# KiCad board poly_kb_molecule_5x4_wave.kicad_pcb
title: PolyKB Atom; date: 2022-02-01; rev: 2.1; company: thpoll
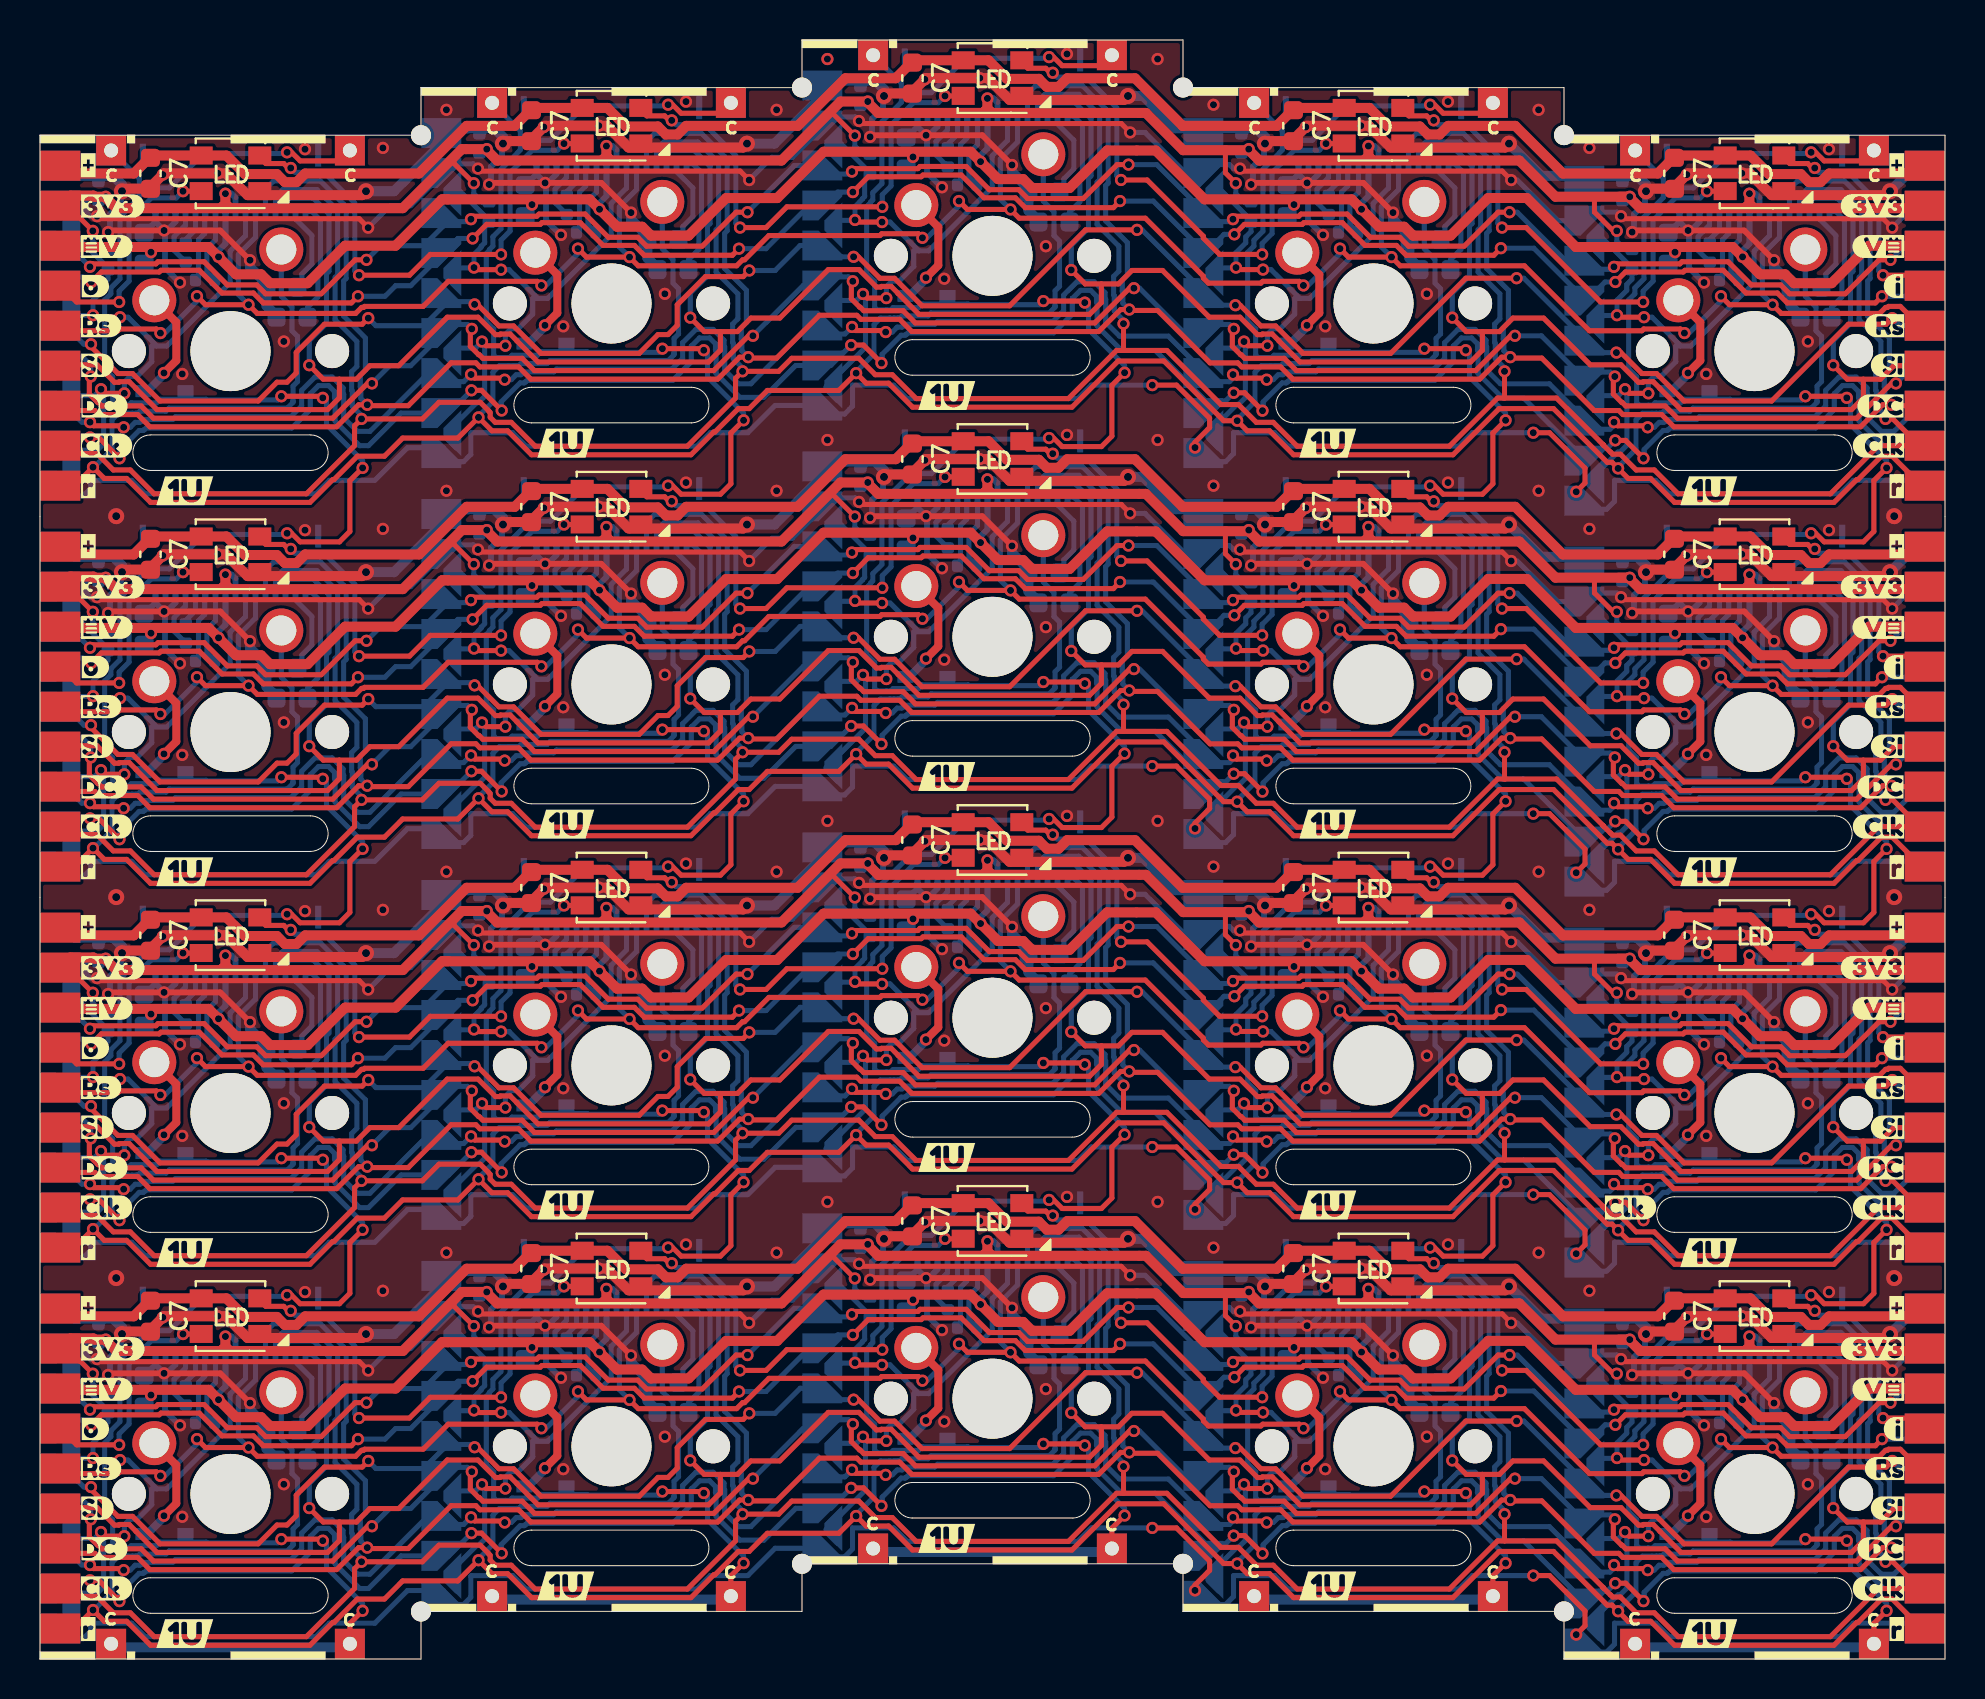
[diagram p0: board, top side]
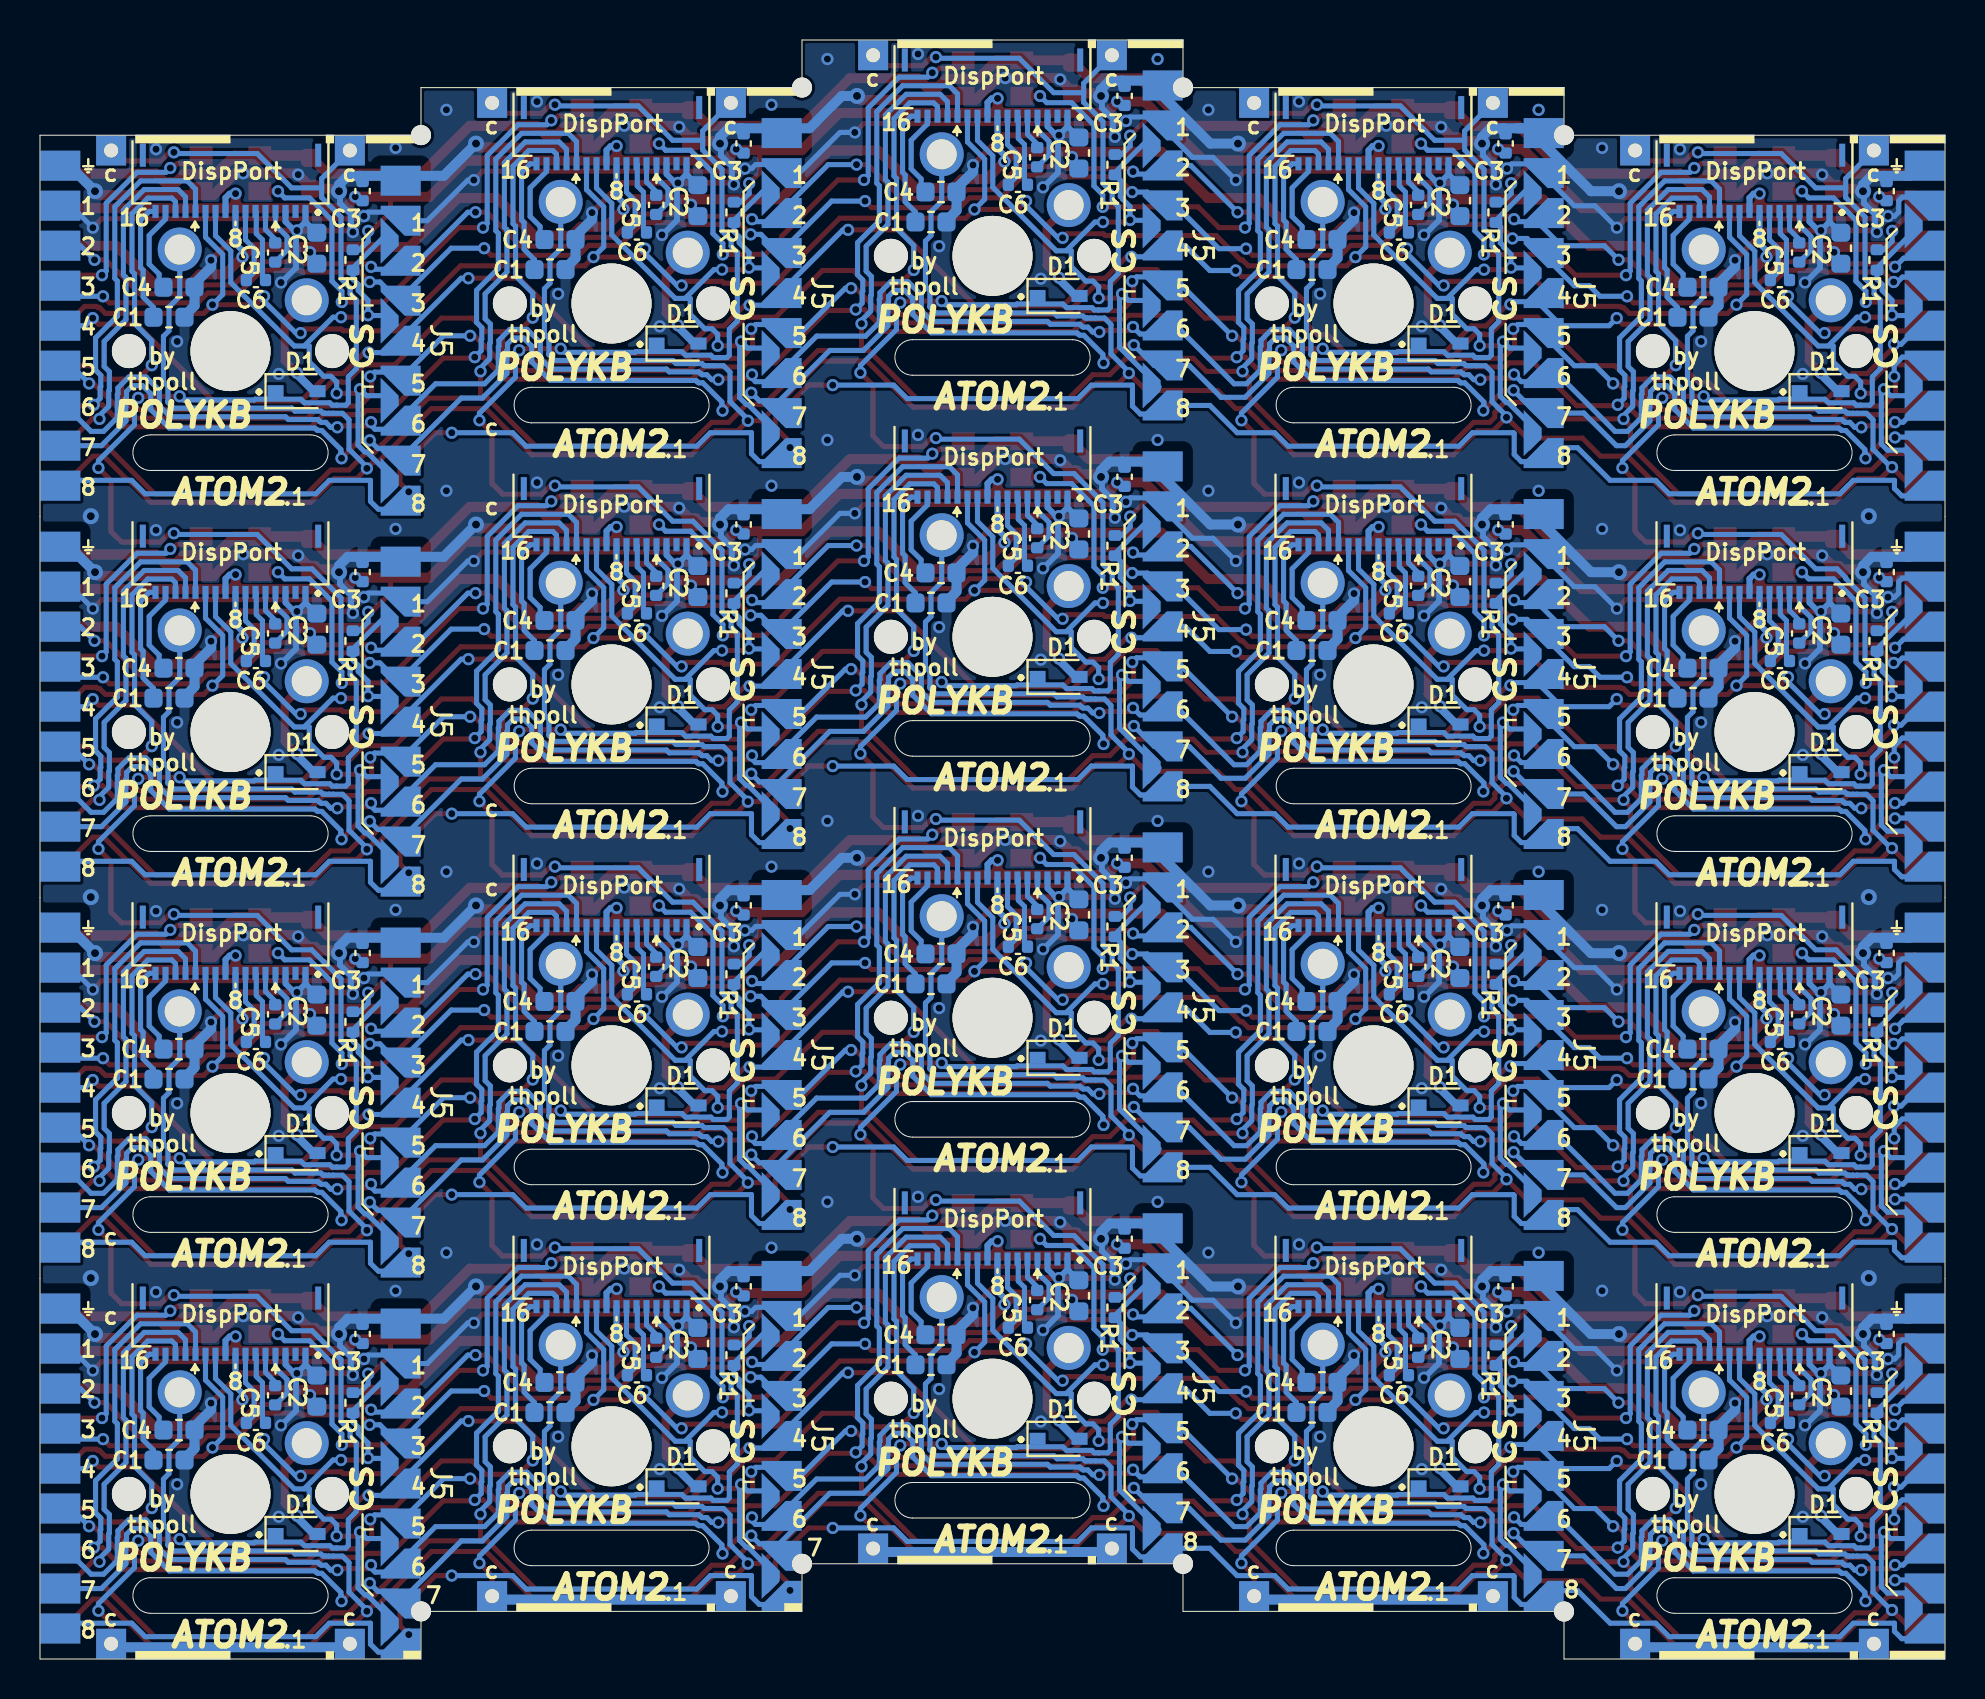
[diagram p1: board, bottom side, seen from below]

Outline 95.25 x 80.96 mm; copper layers: Top, Bottom. Coordinates in mm from the lower left corner of the outline.
Outline path: 0,76.2 0,0 19.05,0 19.05,2.38 38.1,2.38 38.1,4.76 57.15,4.76 57.15,2.38 76.2,2.38 76.2,0 95.25,0 95.25,76.2 76.2,76.2 76.2,78.58 57.15,78.58 57.15,80.96 38.1,80.96 38.1,78.58 19.05,78.58 19.05,76.2 0,76.2 ; 5.53,59.44 arc(4.65,60.32) 5.53,61.21 13.52,61.21 arc(14.41,60.32) 13.52,59.44 5.53,59.44 ; 5.53,40.39 arc(4.65,41.27) 5.53,42.16 13.52,42.16 arc(14.41,41.27) 13.52,40.39 5.53,40.39 ; 5.53,21.34 arc(4.65,22.22) 5.53,23.11 13.52,23.11 arc(14.41,22.22) 13.52,21.34 5.53,21.34 ; 5.53,2.29 arc(4.65,3.17) 5.53,4.06 13.52,4.06 arc(14.41,3.17) 13.52,2.29 5.53,2.29 ; 24.58,61.82 arc(23.7,62.71) 24.58,63.6 32.57,63.6 arc(33.46,62.71) 32.57,61.82 24.58,61.82 ; 24.58,42.77 arc(23.7,43.66) 24.58,44.55 32.57,44.55 arc(33.46,43.66) 32.57,42.77 24.58,42.77 ; 24.58,23.72 arc(23.7,24.61) 24.58,25.5 32.57,25.5 arc(33.46,24.61) 32.57,23.72 24.58,23.72 ; 24.58,4.67 arc(23.7,5.56) 24.58,6.45 32.57,6.45 arc(33.46,5.56) 32.57,4.67 24.58,4.67 ; 43.63,64.2 arc(42.74,65.09) 43.63,65.98 51.62,65.98 arc(52.51,65.09) 51.62,64.2 43.63,64.2 ; 43.63,45.15 arc(42.74,46.04) 43.63,46.93 51.62,46.93 arc(52.51,46.04) 51.62,45.15 43.63,45.15 ; 43.63,26.1 arc(42.74,26.99) 43.63,27.88 51.62,27.88 arc(52.51,26.99) 51.62,26.1 43.63,26.1 ; 43.63,7.05 arc(42.74,7.94) 43.63,8.83 51.62,8.83 arc(52.51,7.94) 51.62,7.05 43.63,7.05 ; 62.68,61.82 arc(61.8,62.71) 62.68,63.6 70.67,63.6 arc(71.56,62.71) 70.67,61.82 62.68,61.82 ; 62.68,42.77 arc(61.8,43.66) 62.68,44.55 70.67,44.55 arc(71.56,43.66) 70.67,42.77 62.68,42.77 ; 62.68,23.72 arc(61.8,24.61) 62.68,25.5 70.67,25.5 arc(71.56,24.61) 70.67,23.72 62.68,23.72 ; 62.68,4.67 arc(61.8,5.56) 62.68,6.45 70.67,6.45 arc(71.56,5.56) 70.67,4.67 62.68,4.67 ; 81.73,59.44 arc(80.84,60.32) 81.73,61.21 89.72,61.21 arc(90.6,60.32) 89.72,59.44 81.73,59.44 ; 81.73,40.39 arc(80.84,41.27) 81.73,42.16 89.72,42.16 arc(90.6,41.27) 89.72,40.39 81.73,40.39 ; 81.73,21.34 arc(80.84,22.22) 81.73,23.11 89.72,23.11 arc(90.6,22.22) 89.72,21.34 81.73,21.34 ; 81.73,2.29 arc(80.84,3.17) 81.73,4.06 89.72,4.06 arc(90.6,3.17) 89.72,2.29 81.73,2.29
Stack: Top 0.035mm / dielectric 1.51mm FR4 er 4.5 / Bottom 0.035mm

## Placement (name value [footprint] x y rotation side)
C1  2.2uF  [C_0603_1608Metric]  12.6 67.1 180 bottom
C1#2  2.2uF  [C_0603_1608Metric]  50.7 71.86 180 bottom
C1#3  2.2uF  [C_0603_1608Metric]  69.75 69.48 180 bottom
C1#4  2.2uF  [C_0603_1608Metric]  88.8 48.05 180 bottom
C1#5  2.2uF  [C_0603_1608Metric]  12.6 48.05 180 bottom
C1#6  2.2uF  [C_0603_1608Metric]  88.8 9.95 180 bottom
C1#7  2.2uF  [C_0603_1608Metric]  69.75 31.38 180 bottom
C1#8  2.2uF  [C_0603_1608Metric]  12.6 29 180 bottom
C1#9  2.2uF  [C_0603_1608Metric]  50.7 14.71 180 bottom
C1#10  2.2uF  [C_0603_1608Metric]  31.65 31.38 180 bottom
C1#11  2.2uF  [C_0603_1608Metric]  69.75 12.33 180 bottom
C1#12  2.2uF  [C_0603_1608Metric]  50.7 52.81 180 bottom
C1#13  2.2uF  [C_0603_1608Metric]  50.7 33.76 180 bottom
C1#14  2.2uF  [C_0603_1608Metric]  31.65 69.48 180 bottom
C1#15  2.2uF  [C_0603_1608Metric]  69.75 50.43 180 bottom
C1#16  2.2uF  [C_0603_1608Metric]  88.8 29 180 bottom
C1#17  2.2uF  [C_0603_1608Metric]  12.6 9.95 180 bottom
C1#18  2.2uF  [C_0603_1608Metric]  88.8 67.1 180 bottom
C1#19  2.2uF  [C_0603_1608Metric]  31.65 50.43 180 bottom
C1#20  2.2uF  [C_0603_1608Metric]  31.65 12.33 180 bottom
C2  2.2uF  [C_0603_1608Metric]  5.21 70.55 90 bottom
C2#2  2.2uF  [C_0603_1608Metric]  43.31 37.21 90 bottom
C2#3  2.2uF  [C_0603_1608Metric]  62.36 72.93 90 bottom
C2#4  2.2uF  [C_0603_1608Metric]  81.41 13.4 90 bottom
C2#5  2.2uF  [C_0603_1608Metric]  81.41 51.5 90 bottom
C2#6  2.2uF  [C_0603_1608Metric]  81.41 70.55 90 bottom
C2#7  2.2uF  [C_0603_1608Metric]  43.31 56.26 90 bottom
C2#8  2.2uF  [C_0603_1608Metric]  24.26 53.88 90 bottom
C2#9  2.2uF  [C_0603_1608Metric]  24.26 34.83 90 bottom
C2#10  2.2uF  [C_0603_1608Metric]  5.21 32.45 90 bottom
C2#11  2.2uF  [C_0603_1608Metric]  43.31 75.31 90 bottom
C2#12  2.2uF  [C_0603_1608Metric]  62.36 15.78 90 bottom
C2#13  2.2uF  [C_0603_1608Metric]  5.21 13.4 90 bottom
C2#14  2.2uF  [C_0603_1608Metric]  81.41 32.45 90 bottom
C2#15  2.2uF  [C_0603_1608Metric]  5.21 51.5 90 bottom
C2#16  2.2uF  [C_0603_1608Metric]  24.26 15.78 90 bottom
C2#17  2.2uF  [C_0603_1608Metric]  62.36 34.83 90 bottom
C2#18  2.2uF  [C_0603_1608Metric]  43.31 18.16 90 bottom
C2#19  2.2uF  [C_0603_1608Metric]  24.26 72.93 90 bottom
C2#20  2.2uF  [C_0603_1608Metric]  62.36 53.88 90 bottom
C3  1uF  [C_0402_1005Metric]  2.92 73.41 90 bottom
C3#2  1uF  [C_0402_1005Metric]  21.97 75.79 90 bottom
C3#3  1uF  [C_0402_1005Metric]  21.97 56.74 90 bottom
C3#4  1uF  [C_0402_1005Metric]  41.02 78.17 90 bottom
C3#5  1uF  [C_0402_1005Metric]  41.02 21.02 90 bottom
C3#6  1uF  [C_0402_1005Metric]  60.07 56.74 90 bottom
C3#7  1uF  [C_0402_1005Metric]  21.97 37.69 90 bottom
C3#8  1uF  [C_0402_1005Metric]  60.07 75.79 90 bottom
C3#9  1uF  [C_0402_1005Metric]  41.02 59.12 90 bottom
C3#10  1uF  [C_0402_1005Metric]  79.12 73.41 90 bottom
C3#11  1uF  [C_0402_1005Metric]  2.92 35.31 90 bottom
C3#12  1uF  [C_0402_1005Metric]  79.12 35.31 90 bottom
C3#13  1uF  [C_0402_1005Metric]  79.12 54.36 90 bottom
C3#14  1uF  [C_0402_1005Metric]  60.07 18.64 90 bottom
C3#15  1uF  [C_0402_1005Metric]  41.02 40.07 90 bottom
C3#16  1uF  [C_0402_1005Metric]  21.97 18.64 90 bottom
C3#17  1uF  [C_0402_1005Metric]  2.92 16.26 90 bottom
C3#18  1uF  [C_0402_1005Metric]  79.12 16.26 90 bottom
C3#19  1uF  [C_0402_1005Metric]  60.07 37.69 90 bottom
C3#20  1uF  [C_0402_1005Metric]  2.92 54.36 90 bottom
C4  4.7uF  [C_0603_1608Metric]  12.1 68.6 180 bottom
C4#2  4.7uF  [C_0603_1608Metric]  69.25 32.88 180 bottom
C4#3  4.7uF  [C_0603_1608Metric]  50.2 35.26 180 bottom
C4#4  4.7uF  [C_0603_1608Metric]  88.3 68.6 180 bottom
C4#5  4.7uF  [C_0603_1608Metric]  31.15 32.88 180 bottom
C4#6  4.7uF  [C_0603_1608Metric]  88.3 30.5 180 bottom
C4#7  4.7uF  [C_0603_1608Metric]  50.2 73.36 180 bottom
C4#8  4.7uF  [C_0603_1608Metric]  69.25 70.98 180 bottom
C4#9  4.7uF  [C_0603_1608Metric]  50.2 16.21 180 bottom
C4#10  4.7uF  [C_0603_1608Metric]  50.2 54.31 180 bottom
C4#11  4.7uF  [C_0603_1608Metric]  12.1 30.5 180 bottom
C4#12  4.7uF  [C_0603_1608Metric]  31.15 13.83 180 bottom
C4#13  4.7uF  [C_0603_1608Metric]  12.1 49.55 180 bottom
C4#14  4.7uF  [C_0603_1608Metric]  31.15 70.98 180 bottom
C4#15  4.7uF  [C_0603_1608Metric]  12.1 11.45 180 bottom
C4#16  4.7uF  [C_0603_1608Metric]  31.15 51.93 180 bottom
C4#17  4.7uF  [C_0603_1608Metric]  88.3 49.55 180 bottom
C4#18  4.7uF  [C_0603_1608Metric]  69.25 13.83 180 bottom
C4#19  4.7uF  [C_0603_1608Metric]  69.25 51.93 180 bottom
C4#20  4.7uF  [C_0603_1608Metric]  88.3 11.45 180 bottom
C5  1uF  [C_0402_1005Metric]  7.29 70.34 90 bottom
C5#2  1uF  [C_0402_1005Metric]  64.44 53.67 90 bottom
C5#3  1uF  [C_0402_1005Metric]  45.39 56.05 90 bottom
C5#4  1uF  [C_0402_1005Metric]  7.29 13.19 90 bottom
C5#5  1uF  [C_0402_1005Metric]  45.39 37 90 bottom
C5#6  1uF  [C_0402_1005Metric]  83.49 70.34 90 bottom
C5#7  1uF  [C_0402_1005Metric]  26.34 72.72 90 bottom
C5#8  1uF  [C_0402_1005Metric]  64.44 15.57 90 bottom
C5#9  1uF  [C_0402_1005Metric]  83.49 51.29 90 bottom
C5#10  1uF  [C_0402_1005Metric]  26.34 53.67 90 bottom
C5#11  1uF  [C_0402_1005Metric]  83.49 13.19 90 bottom
C5#12  1uF  [C_0402_1005Metric]  83.49 32.24 90 bottom
C5#13  1uF  [C_0402_1005Metric]  45.39 17.95 90 bottom
C5#14  1uF  [C_0402_1005Metric]  45.39 75.1 90 bottom
C5#15  1uF  [C_0402_1005Metric]  64.44 72.72 90 bottom
C5#16  1uF  [C_0402_1005Metric]  7.29 32.24 90 bottom
C5#17  1uF  [C_0402_1005Metric]  64.44 34.62 90 bottom
C5#18  1uF  [C_0402_1005Metric]  7.29 51.29 90 bottom
C5#19  1uF  [C_0402_1005Metric]  26.34 34.62 90 bottom
C5#20  1uF  [C_0402_1005Metric]  26.34 15.57 90 bottom
C6  1uF  [C_0402_1005Metric]  8.26 68.96 0 bottom
C6#2  1uF  [C_0402_1005Metric]  46.35 54.67 0 bottom
C6#3  1uF  [C_0402_1005Metric]  65.41 33.24 0 bottom
C6#4  1uF  [C_0402_1005Metric]  84.45 11.81 0 bottom
C6#5  1uF  [C_0402_1005Metric]  65.41 52.29 0 bottom
C6#6  1uF  [C_0402_1005Metric]  84.45 30.86 0 bottom
C6#7  1uF  [C_0402_1005Metric]  84.45 49.91 0 bottom
C6#8  1uF  [C_0402_1005Metric]  65.41 71.34 0 bottom
C6#9  1uF  [C_0402_1005Metric]  8.26 11.81 0 bottom
C6#10  1uF  [C_0402_1005Metric]  46.35 73.72 0 bottom
C6#11  1uF  [C_0402_1005Metric]  27.3 33.24 0 bottom
C6#12  1uF  [C_0402_1005Metric]  46.35 35.62 0 bottom
C6#13  1uF  [C_0402_1005Metric]  8.26 49.91 0 bottom
C6#14  1uF  [C_0402_1005Metric]  27.3 14.19 0 bottom
C6#15  1uF  [C_0402_1005Metric]  84.45 68.96 0 bottom
C6#16  1uF  [C_0402_1005Metric]  65.41 14.19 0 bottom
C6#17  1uF  [C_0402_1005Metric]  27.3 52.29 0 bottom
C6#18  1uF  [C_0402_1005Metric]  8.26 30.86 0 bottom
C6#19  1uF  [C_0402_1005Metric]  46.35 16.57 0 bottom
C6#20  1uF  [C_0402_1005Metric]  27.3 71.34 0 bottom
C7  100nF  [C_0603_1608Metric]  81.72 55.24 270 top
C7#2  100nF  [C_0603_1608Metric]  43.62 60.01 270 top
C7#3  100nF  [C_0603_1608Metric]  5.52 74.3 270 top
C7#4  100nF  [C_0603_1608Metric]  62.67 19.53 270 top
C7#5  100nF  [C_0603_1608Metric]  24.57 57.63 270 top
C7#6  100nF  [C_0603_1608Metric]  81.72 17.14 270 top
C7#7  100nF  [C_0603_1608Metric]  24.57 76.68 270 top
C7#8  100nF  [C_0603_1608Metric]  62.67 57.63 270 top
C7#9  100nF  [C_0603_1608Metric]  62.67 76.68 270 top
C7#10  100nF  [C_0603_1608Metric]  5.52 36.19 270 top
C7#11  100nF  [C_0603_1608Metric]  81.72 74.3 270 top
C7#12  100nF  [C_0603_1608Metric]  62.67 38.58 270 top
C7#13  100nF  [C_0603_1608Metric]  43.62 21.91 270 top
C7#14  100nF  [C_0603_1608Metric]  24.57 19.53 270 top
C7#15  100nF  [C_0603_1608Metric]  43.62 40.96 270 top
C7#16  100nF  [C_0603_1608Metric]  81.72 36.19 270 top
C7#17  100nF  [C_0603_1608Metric]  5.52 17.14 270 top
C7#18  100nF  [C_0603_1608Metric]  43.62 79.06 270 top
C7#19  100nF  [C_0603_1608Metric]  24.57 38.58 270 top
C7#20  100nF  [C_0603_1608Metric]  5.52 55.24 270 top
D1  D_Small  [D_SOD-323Ext]  6.22 63.4 180 bottom
D1#2  D_Small  [D_SOD-323Ext]  63.37 65.78 180 bottom
D1#3  D_Small  [D_SOD-323Ext]  82.42 63.4 180 bottom
D1#4  D_Small  [D_SOD-323Ext]  82.42 25.3 180 bottom
D1#5  D_Small  [D_SOD-323Ext]  63.37 8.63 180 bottom
D1#6  D_Small  [D_SOD-323Ext]  6.22 6.25 180 bottom
D1#7  D_Small  [D_SOD-323Ext]  44.32 30.06 180 bottom
D1#8  D_Small  [D_SOD-323Ext]  25.27 65.78 180 bottom
D1#9  D_Small  [D_SOD-323Ext]  44.32 11.01 180 bottom
D1#10  D_Small  [D_SOD-323Ext]  25.27 8.63 180 bottom
D1#11  D_Small  [D_SOD-323Ext]  25.27 46.73 180 bottom
D1#12  D_Small  [D_SOD-323Ext]  44.32 68.16 180 bottom
D1#13  D_Small  [D_SOD-323Ext]  63.37 27.68 180 bottom
D1#14  D_Small  [D_SOD-323Ext]  6.22 44.35 180 bottom
D1#15  D_Small  [D_SOD-323Ext]  6.22 25.3 180 bottom
D1#16  D_Small  [D_SOD-323Ext]  63.37 46.73 180 bottom
D1#17  D_Small  [D_SOD-323Ext]  44.32 49.11 180 bottom
D1#18  D_Small  [D_SOD-323Ext]  25.27 27.68 180 bottom
D1#19  D_Small  [D_SOD-323Ext]  82.42 6.25 180 bottom
D1#20  D_Small  [D_SOD-323Ext]  82.42 44.35 180 bottom
J1  Conn_01x16  [FPC_16_JUSHUO_AFC05_S16FIA_00]  9.53 72.39 0 bottom
J1#2  Conn_01x16  [FPC_16_JUSHUO_AFC05_S16FIA_00]  66.68 55.72 0 bottom
J1#3  Conn_01x16  [FPC_16_JUSHUO_AFC05_S16FIA_00]  47.63 58.1 0 bottom
J1#4  Conn_01x16  [FPC_16_JUSHUO_AFC05_S16FIA_00]  47.63 77.15 0 bottom
J1#5  Conn_01x16  [FPC_16_JUSHUO_AFC05_S16FIA_00]  28.58 36.67 0 bottom
J1#6  Conn_01x16  [FPC_16_JUSHUO_AFC05_S16FIA_00]  85.72 72.39 0 bottom
J1#7  Conn_01x16  [FPC_16_JUSHUO_AFC05_S16FIA_00]  9.53 53.34 0 bottom
J1#8  Conn_01x16  [FPC_16_JUSHUO_AFC05_S16FIA_00]  66.68 36.67 0 bottom
J1#9  Conn_01x16  [FPC_16_JUSHUO_AFC05_S16FIA_00]  47.63 39.05 0 bottom
J1#10  Conn_01x16  [FPC_16_JUSHUO_AFC05_S16FIA_00]  28.58 17.62 0 bottom
J1#11  Conn_01x16  [FPC_16_JUSHUO_AFC05_S16FIA_00]  9.53 34.29 0 bottom
J1#12  Conn_01x16  [FPC_16_JUSHUO_AFC05_S16FIA_00]  28.58 74.77 0 bottom
J1#13  Conn_01x16  [FPC_16_JUSHUO_AFC05_S16FIA_00]  66.68 17.62 0 bottom
J1#14  Conn_01x16  [FPC_16_JUSHUO_AFC05_S16FIA_00]  85.72 34.29 0 bottom
J1#15  Conn_01x16  [FPC_16_JUSHUO_AFC05_S16FIA_00]  9.53 15.24 0 bottom
J1#16  Conn_01x16  [FPC_16_JUSHUO_AFC05_S16FIA_00]  47.63 20 0 bottom
J1#17  Conn_01x16  [FPC_16_JUSHUO_AFC05_S16FIA_00]  66.68 74.77 0 bottom
J1#18  Conn_01x16  [FPC_16_JUSHUO_AFC05_S16FIA_00]  85.72 53.34 0 bottom
J1#19  Conn_01x16  [FPC_16_JUSHUO_AFC05_S16FIA_00]  85.72 15.24 0 bottom
J1#20  Conn_01x16  [FPC_16_JUSHUO_AFC05_S16FIA_00]  28.58 55.72 0 bottom
J2  North  [TestPoin_1.5x1.5mm_Drill0.7mm]  15.49 75.44 0 top
J2#2  North  [TestPoin_1.5x1.5mm_Drill0.7mm]  91.69 75.44 0 top
J2#3  North  [TestPoin_1.5x1.5mm_Drill0.7mm]  72.64 77.82 0 top
J2#4  North  [TestPoin_1.5x1.5mm_Drill0.7mm]  34.54 77.82 0 top
J2#5  North  [TestPoin_1.5x1.5mm_Drill0.7mm]  53.59 80.2 0 top
J3  WestFront  [AtomConnect2]  1.02 66.67 270 top
J3#2  WestFront  [AtomConnect2]  1.02 9.53 270 top
J3#3  WestFront  [AtomConnect2]  1.02 47.62 270 top
J3#4  WestFront  [AtomConnect2]  1.02 28.58 270 top
J4  EastFront  [AtomConnect2]  94.23 9.53 270 top
J4#2  EastFront  [AtomConnect2]  94.23 28.58 270 top
J4#3  EastFront  [AtomConnect2]  94.23 47.62 270 top
J4#4  EastFront  [AtomConnect2]  94.23 66.67 270 top
J5  WestBack  [AtomConnectCS]  1.02 66.67 270 bottom
J5#2  WestBack  [AtomConnectCS]  20.07 68.31 270 bottom
J5#3  WestBack  [AtomConnectCS]  39.12 70.69 270 bottom
J5#4  WestBack  [AtomConnectCS]  77.22 65.92 270 bottom
J5#5  WestBack  [AtomConnectCS]  58.17 68.31 270 bottom
J5#6  WestBack  [AtomConnectCS]  20.07 11.16 270 bottom
J5#7  WestBack  [AtomConnectCS]  20.07 49.26 270 bottom
J5#8  WestBack  [AtomConnectCS]  39.12 13.54 270 bottom
J5#9  WestBack  [AtomConnectCS]  1.02 28.58 270 bottom
J5#10  WestBack  [AtomConnectCS]  39.12 32.59 270 bottom
J5#11  WestBack  [AtomConnectCS]  58.17 49.26 270 bottom
J5#12  WestBack  [AtomConnectCS]  77.22 8.78 270 bottom
J5#13  WestBack  [AtomConnectCS]  1.02 47.62 270 bottom
J5#14  WestBack  [AtomConnectCS]  58.17 30.21 270 bottom
J5#15  WestBack  [AtomConnectCS]  58.17 11.16 270 bottom
J5#16  WestBack  [AtomConnectCS]  77.22 27.83 270 bottom
J5#17  WestBack  [AtomConnectCS]  1.02 9.53 270 bottom
J5#18  WestBack  [AtomConnectCS]  20.07 30.21 270 bottom
J5#19  WestBack  [AtomConnectCS]  77.22 46.88 270 bottom
J5#20  WestBack  [AtomConnectCS]  39.12 51.64 270 bottom
J6  EastBack  [AtomConnect2]  94.23 66.67 270 bottom
J6#2  EastBack  [AtomConnect2]  94.23 9.53 270 bottom
J6#3  EastBack  [AtomConnect2]  94.23 28.58 270 bottom
J6#4  EastBack  [AtomConnect2]  94.23 47.62 270 bottom
J7  South  [TestPoin_1.5x1.5mm_Drill0.7mm]  79.76 0.76 0 top
J7#2  South  [TestPoin_1.5x1.5mm_Drill0.7mm]  41.66 5.52 0 top
J7#3  South  [TestPoin_1.5x1.5mm_Drill0.7mm]  60.71 3.14 0 top
J7#4  South  [TestPoin_1.5x1.5mm_Drill0.7mm]  3.56 0.76 0 top
J7#5  South  [TestPoin_1.5x1.5mm_Drill0.7mm]  22.61 3.14 0 top
J8  North2  [TestPoin_1.5x1.5mm_Drill0.7mm]  3.56 75.44 0 top
J8#2  North2  [TestPoin_1.5x1.5mm_Drill0.7mm]  79.76 75.44 0 top
J8#3  North2  [TestPoin_1.5x1.5mm_Drill0.7mm]  41.66 80.2 0 top
J8#4  North2  [TestPoin_1.5x1.5mm_Drill0.7mm]  60.71 77.82 0 top
J8#5  North2  [TestPoin_1.5x1.5mm_Drill0.7mm]  22.61 77.82 0 top
J9  South2  [TestPoin_1.5x1.5mm_Drill0.7mm]  15.49 0.76 0 top
J9#2  South2  [TestPoin_1.5x1.5mm_Drill0.7mm]  72.64 3.14 0 top
J9#3  South2  [TestPoin_1.5x1.5mm_Drill0.7mm]  91.69 0.76 0 top
J9#4  South2  [TestPoin_1.5x1.5mm_Drill0.7mm]  53.59 5.52 0 top
J9#5  South2  [TestPoin_1.5x1.5mm_Drill0.7mm]  34.54 3.14 0 top
kibuzzard-61EFA8F1  G***  [kibuzzard-61EFA8F1]  91.92 22.58 0 top
kibuzzard-61EFA8F1#2  G***  [kibuzzard-61EFA8F1]  91.92 60.68 0 top
kibuzzard-61EFA8F1#3  G***  [kibuzzard-61EFA8F1]  91.92 41.63 0 top
kibuzzard-61EFA8F1#4  G***  [kibuzzard-61EFA8F1]  91.92 3.53 0 top
kibuzzard-61EFAA6D  G***  [kibuzzard-61EFAA6D]  92.23 9.53 0 top
kibuzzard-61EFAA6D#2  G***  [kibuzzard-61EFAA6D]  92.23 66.67 0 top
kibuzzard-61EFAA6D#3  G***  [kibuzzard-61EFAA6D]  92.23 28.58 0 top
kibuzzard-61EFAA6D#4  G***  [kibuzzard-61EFAA6D]  92.23 47.62 0 top
kibuzzard-61EFABBF  G***  [kibuzzard-61EFABBF]  92.02 43.61 0 top
kibuzzard-61EFABBF#2  G***  [kibuzzard-61EFABBF]  92.02 62.66 0 top
kibuzzard-61EFABBF#3  G***  [kibuzzard-61EFABBF]  92.02 24.56 0 top
kibuzzard-61EFABBF#4  G***  [kibuzzard-61EFABBF]  92.02 5.51 0 top
kibuzzard-61EFACF9  G***  [kibuzzard-61EFACF9]  91.41 13.49 0 top
kibuzzard-61EFACF9#2  G***  [kibuzzard-61EFACF9]  91.41 32.54 0 top
kibuzzard-61EFACF9#3  G***  [kibuzzard-61EFACF9]  91.41 51.59 0 top
kibuzzard-61EFACF9#4  G***  [kibuzzard-61EFACF9]  91.41 70.64 0 top
kibuzzard-61EFBE2C  G***  [kibuzzard-61EFBE2C]  3.23 5.51 0 top
kibuzzard-61EFBE2C#2  G***  [kibuzzard-61EFBE2C]  3.23 43.61 0 top
kibuzzard-61EFBE2C#3  G***  [kibuzzard-61EFBE2C]  3.23 62.66 0 top
kibuzzard-61EFBE2C#4  G***  [kibuzzard-61EFBE2C]  3.23 24.56 0 top
kibuzzard-61EFBE3D  G***  [kibuzzard-61EFBE3D]  3.33 22.58 0 top
kibuzzard-61EFBE3D#2  G***  [kibuzzard-61EFBE3D]  3.33 3.53 0 top
kibuzzard-61EFBE3D#3  G***  [kibuzzard-61EFBE3D]  3.33 41.63 0 top
kibuzzard-61EFBE3D#4  G***  [kibuzzard-61EFBE3D]  79.53 22.58 0 top
kibuzzard-61EFBE3D#5  G***  [kibuzzard-61EFBE3D]  3.33 60.68 0 top
kibuzzard-61EFBE21  G***  [kibuzzard-61EFBE21]  2.87 7.54 0 top
kibuzzard-61EFBE21#2  G***  [kibuzzard-61EFBE21]  2.87 26.59 0 top
kibuzzard-61EFBE21#3  G***  [kibuzzard-61EFBE21]  2.87 64.69 0 top
kibuzzard-61EFBE21#4  G***  [kibuzzard-61EFBE21]  2.87 45.64 0 top
kibuzzard-61EFBE87  G***  [kibuzzard-61EFBE87]  3.84 70.64 0 top
kibuzzard-61EFBE87#2  G***  [kibuzzard-61EFBE87]  3.84 51.59 0 top
kibuzzard-61EFBE87#3  G***  [kibuzzard-61EFBE87]  3.84 13.49 0 top
kibuzzard-61EFBE87#4  G***  [kibuzzard-61EFBE87]  3.84 32.54 0 top
kibuzzard-61EFD7F9  G***  [kibuzzard-61EFD7F9]  92.38 64.69 0 top
kibuzzard-61EFD7F9#2  G***  [kibuzzard-61EFD7F9]  92.38 45.64 0 top
kibuzzard-61EFD7F9#3  G***  [kibuzzard-61EFD7F9]  92.38 26.59 0 top
kibuzzard-61EFD7F9#4  G***  [kibuzzard-61EFD7F9]  92.38 7.54 0 top
kibuzzard-61EFD863  G***  [kibuzzard-61EFD863]  91.62 53.62 0 top
kibuzzard-61EFD863#2  G***  [kibuzzard-61EFD863]  91.62 72.67 0 top
kibuzzard-61EFD863#3  G***  [kibuzzard-61EFD863]  91.62 34.57 0 top
kibuzzard-61EFD863#4  G***  [kibuzzard-61EFD863]  91.62 15.52 0 top
kibuzzard-61EFD879  G***  [kibuzzard-61EFD879]  3.64 34.56 0 top
kibuzzard-61EFD879#2  G***  [kibuzzard-61EFD879]  3.64 72.66 0 top
kibuzzard-61EFD879#3  G***  [kibuzzard-61EFD879]  3.64 15.51 0 top
kibuzzard-61EFD879#4  G***  [kibuzzard-61EFD879]  3.64 53.61 0 top
kibuzzard-61EFD908  G***  [kibuzzard-61EFD908]  2.41 58.65 0 top
kibuzzard-61EFD908#2  G***  [kibuzzard-61EFD908]  92.84 39.6 0 top
kibuzzard-61EFD908#3  G***  [kibuzzard-61EFD908]  92.84 1.5 0 top
kibuzzard-61EFD908#4  G***  [kibuzzard-61EFD908]  92.84 58.65 0 top
kibuzzard-61EFD908#5  G***  [kibuzzard-61EFD908]  92.84 20.55 0 top
kibuzzard-61EFD908#6  G***  [kibuzzard-61EFD908]  2.41 39.6 0 top
kibuzzard-61EFD908#7  G***  [kibuzzard-61EFD908]  2.41 20.55 0 top
kibuzzard-61EFD908#8  G***  [kibuzzard-61EFD908]  2.41 1.5 0 top
kibuzzard-61EFD947  G***  [kibuzzard-61EFD947]  92.84 74.7 0 top
kibuzzard-61EFD947#2  G***  [kibuzzard-61EFD947]  92.84 17.55 0 top
kibuzzard-61EFD947#3  G***  [kibuzzard-61EFD947]  2.41 36.6 0 top
kibuzzard-61EFD947#4  G***  [kibuzzard-61EFD947]  2.41 17.55 0 top
kibuzzard-61EFD947#5  G***  [kibuzzard-61EFD947]  2.41 55.65 0 top
kibuzzard-61EFD947#6  G***  [kibuzzard-61EFD947]  2.41 74.7 0 top
kibuzzard-61EFD947#7  G***  [kibuzzard-61EFD947]  92.84 36.6 0 top
kibuzzard-61EFD947#8  G***  [kibuzzard-61EFD947]  92.84 55.65 0 top
kibuzzard-61EFDAA0  G***  [kibuzzard-61EFDAA0]  2.77 11.51 0 top
kibuzzard-61EFDAA0#2  G***  [kibuzzard-61EFDAA0]  2.77 68.66 0 top
kibuzzard-61EFDAA0#3  G***  [kibuzzard-61EFDAA0]  2.77 30.56 0 top
kibuzzard-61EFDAA0#4  G***  [kibuzzard-61EFDAA0]  2.77 49.61 0 top
kibuzzard-61EFDAC6  G***  [kibuzzard-61EFDAC6]  92.79 11.51 0 top
kibuzzard-61EFDAC6#2  G***  [kibuzzard-61EFDAC6]  92.79 68.66 0 top
kibuzzard-61EFDAC6#3  G***  [kibuzzard-61EFDAC6]  92.79 49.61 0 top